# Altium PCB FD-KL-ASM-SUB-PCBA-MAIN.PcbDoc (part 1 of 4) (continued)
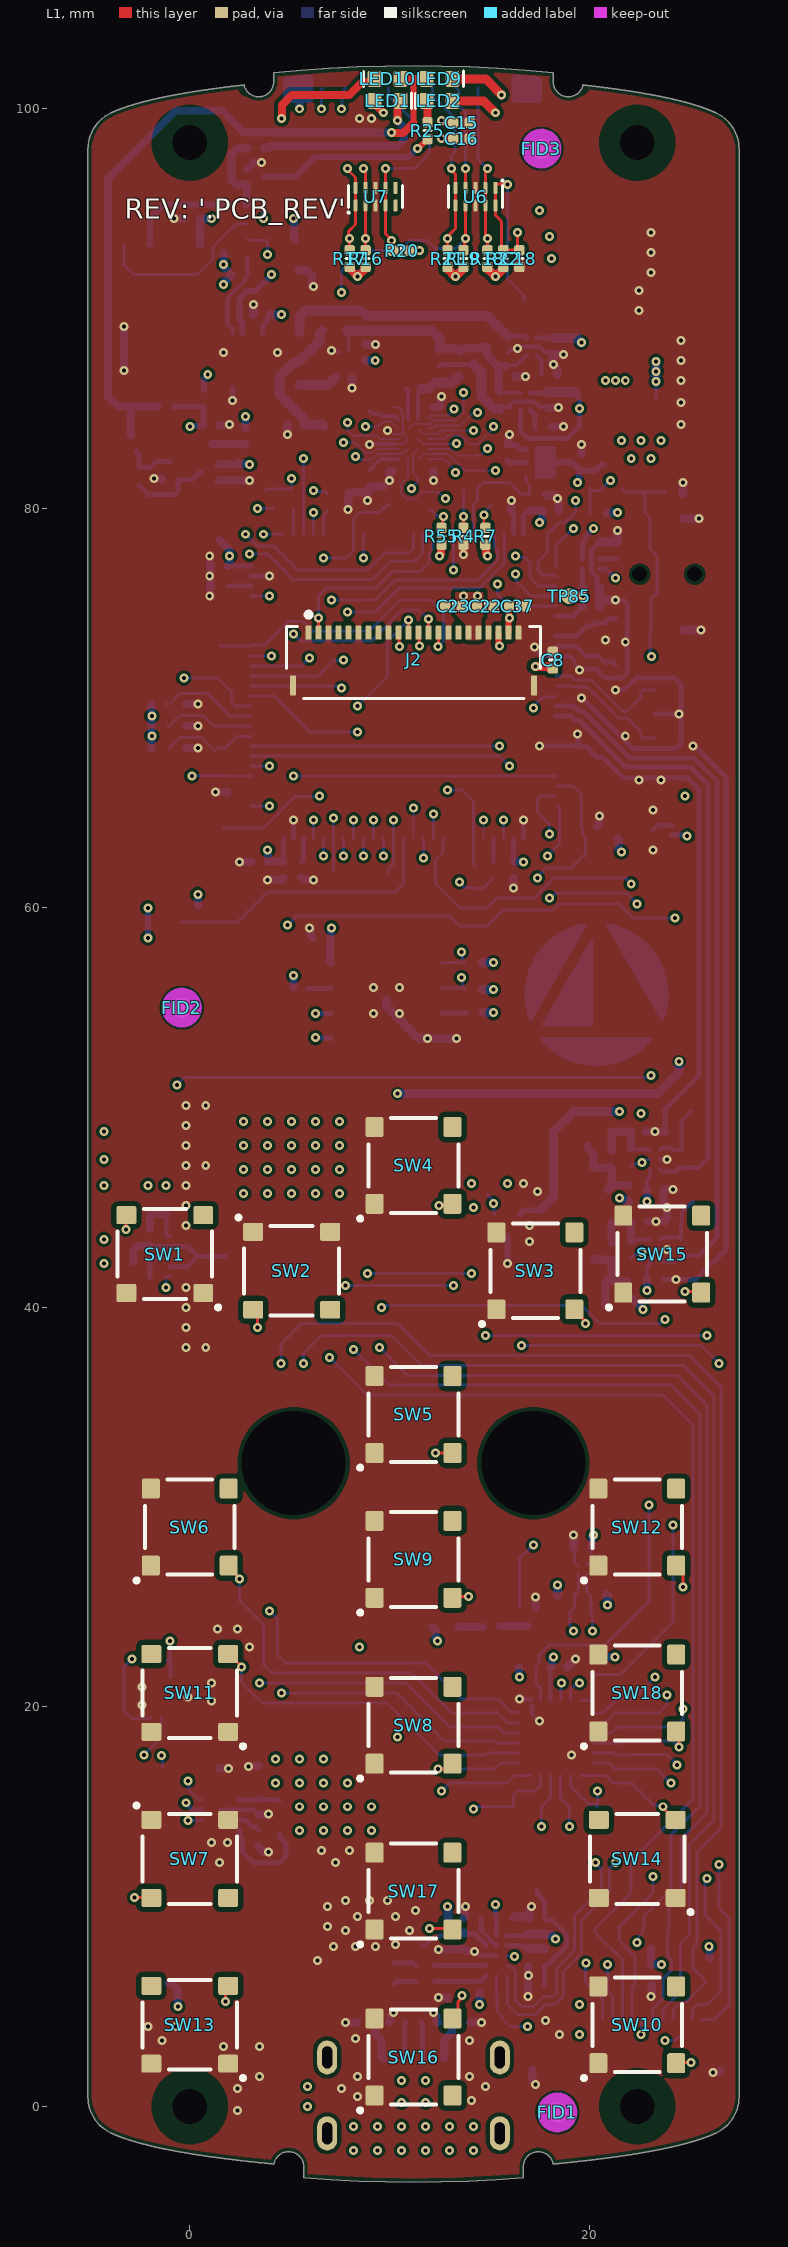
[diagram p0: L1 view]
## Components (designator, comment, footprint, x,y, rotation, side; value= is the part's Value field where it differs from the comment) (continued)
C81 "CAP CER 4.7UF 10V 20% X5R 0402" CAPC0402(1005)55_L 23.3,89 r0 bottom
C82 "CAP CER 0.1uF 16V 10% X7R 0402" CAPC0402(1005)55_L 18.2,88.1 r270 bottom
C83 "CAP CER 2.2uF 6.3V 10% X5R 0402" CAPC0402(1005)55_L 15.9,88.2 r270 bottom
C84 "CAP CER 0.047uF 10V 10% X7R 0402" CAPC0402(1005)55_L 18,86.7 r0 bottom
C85 "CAP CER 10uF 10V 20% X5R 0402" CAPC0402(1005)55_L 8.8,87.8 r90 bottom
C86 "CAP CER 1uF 25V 10% X5R 0402" CAPC0402(1005)55_L 7.7,86.5 r0 bottom
C87 "CAP CER 0.1uF 16V 10% X7R 0402" CAPC0402(1005)55_L 20.1,78.3 r0 bottom
C88 "CAP CER 0.047uF 10V 10% X7R 0402" CAPC0402(1005)55_L 21.4,77.9 r90 bottom
C89 "CAP CER 4.7UF 10V 20% X5R 0402" CAPC0402(1005)55_L 20.1,76.1 r0 bottom
CN1 "UJC-HP-3-SMT-TR" "CUI - UJC-HP-3-SMT_V" 11.2,-0.95 r180 bottom
D1 "RB751S40T1G" "ON - SOD-523_V" 20.9,80.9 r0 bottom
D2 "BZT585B15T-7" "DIOD - SOD-523-2_L" 20.2,45.9 r0 bottom
D3 "BZT585B15T-7" "DIOD - SOD-523-2_L" 20.1,41.3 r0 bottom
D4 "RB751S40T1G" "ON - SOD-523_V" -1.3,59.3 r180 bottom
D5 "D5V0M1U2S9-7" "DIOD - SOD-923_V" 7.3,13.3 r270 bottom
D6 "D5V0M1U2S9-7" "DIOD - SOD-923_V" -1.4,4.4 r270 bottom
FID1 "FID1X2R" FID1X2R 18.4,-0.3 r180 top
FID2 "FID1X2R" FID1X2R -0.4,55 r180 top
FID3 "FID1X2R" FID1X2R 17.6,98 r180 top
FID4 "FID1X2R" FID1X2R 22.1,95.3 r0 bottom
FID5 "FID1X2R" FID1X2R 18.4,-0.3 r0 bottom
FID6 "FID1X2R" FID1X2R 1.4,54.9 r0 bottom
J1 "114-00841-68" "AMPH - 114-00841-68_C-1" 6.725,101.175 r0 bottom
J2 "503480-2200" "MOLX - 503480-2200_V" 11.2,72.45 r0 top
J3 "009155003301006-2" "AVX - 009155003301006_V" 1.95,8.45 r180 bottom
J4 "FH34SRJ-16S-0.5SH(50)" "HIRO - FH34SRJ-16S-0.5SH_V" 21.9,3.1 r180 bottom
L1 "MAKK2520H1R5M" INDC1008(2520)100_V 3.9,42.55 r90 bottom
L2 "MAKK2016T1R0M" INDC0806(2016)100_V 21.3,85 r90 bottom
L4 "MLZ1608M220WT000" INDC0603(1608)90_L 14,43.4 r270 bottom
L5 "BLM18PG221SH1D" FBC0603(1608)90_L 6.7,83.5 r270 bottom
L6 "BLM18PG221SH1D" FBC0603(1608)90_L 13.5,87.2 r90 bottom
LED1 "LTST-C191KRKT" LEDC0603(1608)65_L 9.9,100.4 r0 top
LED2 "KB DELPS2.DI-THVG-2J8L-Z555" LEDC0603(1608)65_L 12.5,100.4 r180 top
LED8 "IN-S63AT5A" LEDC0603(1608)65_L 12.8,24 r0 bottom
LED9 "IN-S63AT5A" LEDC0603(1608)65_L 12.5,101.5 r0 top
LED10 "IN-S63AT5UW" LEDC0603(1608)65_L 9.9,101.5 r180 top
Q1 "DMP2104LP-7" "DIOD - XDFN-3_V" -1.1,16.35 r270 bottom
Q2 "DMP2104LP-7" "DIOD - XDFN-3_V" -2.95,83.5 r90 bottom
R2 "RES 10K 1/16W 1% 0402" RESC0402(1005)_L -1.5,68 r180 bottom
R3 "RES 10K 1/16W 1% 0402" RESC0402(1005)_L 22.7,7.1 r0 bottom
R4 "RES 100K 1/16W 1% 0402" RESC0402(1005)_L 13.7,78.6 r90 top
R5 "RES 15 OHM 1% 1/16W 0402" RESC0402(1005)_L 15.2,61.9 r90 bottom
R6 "RES 21.5K 1/16W 1% 0402" RESC0402(1005)_L 2.8,83.6 r90 bottom
R7 "RES 4.7K 1/16W 1% 0402" RESC0402(1005)_L 14.8,78.6 r270 top
R8 "RES 1.0M 1/4W 5% 1206" RESC1206(3216)_L 3.9,2.55 r0 bottom
R9 "RES 0 OHM JUMPER 1/16W 0402" RESC0402(1005)_L 5.1,80.5 r90 bottom
R10 "RES 2.2K 1/16W 1% 0402" RESC0402(1005)_L 18.85,25.6 r180 bottom
R11 "RES 2.2K 1/16W 1% 0402" RESC0402(1005)_L 20.45,25.6 r0 bottom
R12 "RES 4.7K 1/16W 1% 0402" RESC0402(1005)_L 20.25,22.05 r90 bottom
R13 "RES 4.7K 1/16W 1% 0402" RESC0402(1005)_L 16.9,22 r180 bottom
R14 "RES 4.7K 1/16W 1% 0402" RESC0402(1005)_L 25.6,7.4 r180 bottom
R15 "RES 4.7K 1/16W 1% 0402" RESC0402(1005)_L 23.5,7.9 r0 bottom
R16 "RES 10K 1/16W 1% 0402" RESC0402(1005)_L 8.8,92.5 r90 top
R17 "RES 10K 1/16W 1% 0402" RESC0402(1005)_L 8,92.5 r90 top
R18 "RES 10K 1/16W 1% 0402" RESC0402(1005)_L 14.9,92.5 r90 top
R19 "RES 10K 1/16W 1% 0402" RESC0402(1005)_L 13.7,92.5 r90 top
R20 "RES 10K 1/16W 1% 0402" RESC0402(1005)_L 10.6,92.9 r180 top
R21 "RES 10K 1/16W 1% 0402" RESC0402(1005)_L 12.9,92.5 r90 top
R22 "RES 10K 1/16W 1% 0402" RESC0402(1005)_L 15.7,92.5 r270 top
R23 "RES 5.1K 1/16W 1% 0402" RESC0402(1005)_L 10.4,4.2 r0 bottom
R24 "RES 1.0M 1/4W 5% 1206" RESC1206(3216)_L 20.9,92.8 r180 bottom
R25 "RES 21.5K 1/16W 1% 0402" RESC0402(1005)_L 11.9,98.9 r90 top
R26 "RES 4.7K 1/16W 1% 0402" RESC0402(1005)_L 2.508,91.688 r180 bottom
R27 "RES 2.2K 1/16W 1% 0402" RESC0402(1005)_L 3.3,98 r0 bottom
R28 "RES 5.1K 1/16W 1% 0402" RESC0402(1005)_L 12,4.2 r180 bottom
R29 "RES 220K 1/16W 1% 0402" RESC0402(1005)_L -2.85,18.95 r270 bottom
R30 "RES 100K 1/16W 1% 0402" RESC0402(1005)_L -2,45.1 r90 bottom
R31 "RES 220K 1/16W 1% 0402" RESC0402(1005)_L -1.009,18.7 r0 bottom
R32 "RES 21.5K 1/16W 1% 0402" RESC0402(1005)_L -2,43.5 r270 bottom
R33 "RES 10K 1/16W 1% 0402" RESC0402(1005)_L -1.509,22.3 r0 bottom
R34 "RES 2.2K 1/16W 1% 0402" RESC0402(1005)_L 0.7,85.5 r90 bottom
R35 "RES 4.7K 1/16W 1% 0402" RESC0402(1005)_L 14.2,55.9 r0 bottom
R36 "RES 4.7K 1/16W 1% 0402" RESC0402(1005)_L 14.2,57.25 r0 bottom
R37 "RES 10K 1/16W 1% 0402" RESC0402(1005)_L 20.45,79.75 r180 bottom
R38 "RES 100K 1/16W 1% 0402" RESC0402(1005)_L -2.95,82.05 r0 bottom
R39 "RES 100K 1/16W 1% 0402" RESC0402(1005)_L -2.95,81.15 r0 bottom
R40 "RES 100K 1/16W 1% 0402" RESC0402(1005)_L 17.4,80.7 r0 bottom
R41 "RES 15 OHM 1% 1/16W 0402" RESC0402(1005)_L 15.9,82.8 r90 bottom
R42 "RES 100K 1/16W 1% 0402" RESC0402(1005)_L 24.6,47.4 r270 bottom
R43 "RES 5.1M 1/16W 1% 0402" RESC0402(1005)_L 22.1,47.5 r270 bottom
R44 "RES 470K 1/16W 1% 0402" RESC0402(1005)_L 22,45.7 r270 bottom
R45 "RES 220K 1/16W 1% 0402" RESC0402(1005)_L 22.4,48.8 r180 bottom
R46 "RES 10K 1/16W 1% 0402" RESC0402(1005)_L 24.2,48.8 r0 bottom
R47 "RES 100K 1/16W 1% 0402" RESC0402(1005)_L 24.6,43 r270 bottom
R48 "RES 5.1M 1/16W 1% 0402" RESC0402(1005)_L 22.1,42.9 r270 bottom
R49 "RES 470K 1/16W 1% 0402" RESC0402(1005)_L 21.9,40.9 r270 bottom
R50 "RES 220K 1/16W 1% 0402" RESC0402(1005)_L 22.5,44.3 r180 bottom
R51 "RES 10K 1/16W 1% 0402" RESC0402(1005)_L 24.2,44.3 r0 bottom
R52 "RES 21.5K 1/16W 1% 0402" RESC0402(1005)_L 17.6,42.9 r270 bottom
R53 "RES 0 OHM JUMPER 1/16W 0402" RESC0402(1005)_L 2.9,93 r90 bottom
R54 "RES 0 OHM JUMPER 1/16W 0402" RESC0402(1005)_L 3.3,95.2 r0 bottom
R55 "RES 4.7K 1/16W 1% 0402" RESC0402(1005)_L 12.6,78.6 r270 top
R56 "RES 100K 1/16W 1% 0402" RESC0402(1005)_L 2.45,81.85 r270 bottom
R57 "RES 0 OHM JUMPER 1/16W 0402" RESC0402(1005)_L 2.9,93.9 r270 bottom
R58 "RES 10K 1/16W 1% 0402" RESC0402(1005)_L -1.5,69.1 r180 bottom
R59 "RES 4.7K 1/16W 1% 0402" RESC0402(1005)_L 5.6,56 r180 bottom
R60 "RES 4.7K 1/16W 1% 0402" RESC0402(1005)_L 14.25,54.75 r0 bottom
R61 "RES 0 OHM JUMPER 1/16W 0402" RESC0402(1005)_L 2.4,95.2 r180 bottom
R62 "RES 0 OHM JUMPER 1/16W 0402" RESC0402(1005)_L 21.4,63.9 r270 bottom
R63 "RES 10K 1/16W 1% 0402" RESC0402(1005)_L -1.5,70.2 r180 bottom
R64 "RES 10K 1/16W 1% 0402" RESC0402(1005)_L -0.6,68 r180 bottom
R65 "RES 100K 1/16W 1% 0402" RESC0402(1005)_L -1.205,85.1 r0 bottom
R66 "RES 4.7K 1/16W 1% 0402" RESC0402(1005)_L 1.7,93.2 r270 bottom
R67 "RES 10K 1/16W 1% 0402" RESC0402(1005)_L -0.6,69.1 r180 bottom
R68 "RES 10K 1/16W 1% 0402" RESC0402(1005)_L -0.6,70.2 r180 bottom
R69 "RES 100K 1/16W 1% 0402" RESC0402(1005)_L 15.9,86.6 r180 bottom
R70 "RES 10K 1/16W 1% 0402" RESC0402(1005)_L 14.95,5.65 r180 bottom
R71 "RES 0 OHM JUMPER 1/10W 0603" RESC0603(1608)_L 5.5,88.2 r270 bottom
R72 "RES 0 OHM JUMPER 1/10W 0603" RESC0603(1608)_L 5.5,86.8 r90 bottom
R73 "RES 0 OHM JUMPER 1/16W 0402" RESC0402(1005)_L 4.6,80 r180 bottom
R74 "RES 15 OHM 1% 1/16W 0402" RESC0402(1005)_L 6.9,80.3 r90 bottom
R75 "RES 0 OHM JUMPER 1/16W 0402" RESC0402(1005)_L -2,41.1 r90 bottom
R76 "RES 1.8M 1/16W 1% 0402" RESC0402(1005)_L 12.95,9.05 r270 bottom
R77 "RES 1.0K 1/16W 1% 0402" RESC0402(1005)_L 3.45,15.026 r90 bottom
R78 "RES 1.0K 1/16W 1% 0402" RESC0402(1005)_L 15.1,24 r180 bottom
R79 "RES 0 OHM JUMPER 1/10W 0603" RESC0603(1608)_L 7.237,88.895 r180 bottom
R82 "RES 10K 1/16W 1% 0402" RESC0402(1005)_L 20,64.1 r180 bottom
R83 "RES 18.2K 1/16W 1% 0402" RESC0402(1005)_L 17.75,9.05 r270 bottom
R84 "RES 1.0K 1/16W 1% 0402" RESC0402(1005)_L 17.75,7.45 r270 bottom
R85 "NTCG103JF103FT1" RESC0402(1005)_L 17.35,6.05 r180 bottom
R86 "NCP15WB473F03RC" RESC0402(1005)_L 2.25,12.726 r180 bottom
R87 "RES 100 OHM 1/16W 1% 0402" RESC0402(1005)_L 11.75,6.25 r0 bottom
R88 "RES 100 OHM 1/16W 1% 0402" RESC0402(1005)_L 11.75,7.05 r0 bottom
R89 "KRL3216T4A-M-R010-F-T1" "Susumu - KRL3216T4A_V" 8.9,6.7 r180 bottom
R90 "RES 100K 1/16W 1% 0402" RESC0402(1005)_L 0.4,59.7 r270 bottom
R91 "RES 100K 1/16W 1% 0402" RESC0402(1005)_L 1.9,66.2 r270 bottom
SW1 "PTS530GN055SMTRLFS" "C&K - PTS530_V" -1.25,42.666 r180 top
SW2 "PTS530GN055SMTRLFS" "C&K - PTS530_V" 5.1,41.829 r0 top
SW3 "PTS530GN055SMTRLFS" "C&K - PTS530_V" 17.3,41.829 r90 top
SW4 "PTS530GN055SMTRLFS" "C&K - PTS530_V" 11.2,47.106 r90 top
SW5 "PTS530GN055SMTRLFS" "C&K - PTS530_V" 11.2,34.638 r90 top
SW6 "PTS530GN055SMTRLFS" "C&K - PTS530_V" 0,29 r90 top
SW7 "PTS530GN055SMTRLFS" "C&K - PTS530_V" 0,12.39 r0 top
SW8 "PTS530GN055SMTRLFS" "C&K - PTS530_V" 11.2,19.081 r90 top
SW9 "PTS530GN055SMTRLFS" "C&K - PTS530_V" 11.2,27.386 r90 top
SW10 "PTS530GN055SMTRLFS" "C&K - PTS530_V" 22.4,4.085 r90 top
SW11 "PTS530GN055SMTRLFS" "C&K - PTS530_V" 0,20.695 r180 top
SW12 "PTS530GN055SMTRLFS" "C&K - PTS530_V" 22.4,29 r90 top
SW13 "PTS530GN055SMTRLFS" "C&K - PTS530_V" 0,4.085 r180 top
SW14 "PTS530GN055SMTRLFS" "C&K - PTS530_V" 22.4,12.39 r180 top
SW15 "PTS530GN055SMTRLFS" "C&K - PTS530_V" 23.65,42.666 r90 top
SW16 "PTS530GN055SMTRLFS" "C&K - PTS530_V" 11.2,2.471 r90 top
SW17 "PTS530GN055SMTRLFS" "C&K - PTS530_V" 11.2,10.776 r90 top
SW18 "PTS530GN055SMTRLFS" "C&K - PTS530_V" 22.4,20.695 r90 top
SW19 "TL1014BF160QG" "E-SWITCH - TL1014BFXXXQG" 23.9,76.7 r270 bottom
TP1 "TPAD8R" TP08R 25.5,47.061 r270 bottom locked
TP2 "TPAD8R" TP08R 19.9,48.1 r0 bottom locked
TP3 "TPAD8R" TP08R 21.1,48.8 r180 bottom locked
TP4 "TPAD8R" TP08R 25.5,42.6 r180 bottom locked
TP5 "TPAD8R" TP08R 20.8,40.1 r0 bottom locked
TP6 "TPAD8R" TP08R 21.1,44.2 r180 bottom locked
TP7 "TPAD8R" TP08R 26.5,10.6 r180 bottom locked
TP8 "TPAD8R" TP08R 13.4,19.7 r0 bottom locked
TP9 "TPAD8R" TP08R 3.9,93.4 r0 bottom locked
TP10 "TPAD8R" TP08R -3,85.1 r90 bottom locked
TP11 "TPAD8R" TP08R 19.3,85.8 r0 bottom locked
TP12 "TPAD8R" TP08R 0.5,18.45 r90 bottom locked
TP13 "TPAD8R" TP08R 10,80.2 r90 bottom locked
TP14 "TPAD8R" TP08R 20.7,82.2 r0 bottom locked
TP15 "TPAD8R" TP08R 15.9,81.3 r0 bottom locked
TP16 "TPAD8R" TP08R -1.05,12.75 r90 bottom locked
TP17 "TPAD8R" TP08R 4.5,15.3 r0 bottom locked
TP18 "TPAD8R" TP08R 26.2,9.1 r180 bottom locked
TP19 "TPAD8R" TP08R 20.4,65.5 r90 bottom locked
TP20 "TPAD8R" TP08R 15.1,49.2 r0 bottom locked
TP21 "TPAD8R" TP08R 14.8,19 r0 bottom locked
TP22 "TPAD8R" TP08R 14.8,20.4 r0 bottom locked
TP23 "TPAD8R" TP08R 22.1,20.4 r0 bottom locked
TP24 "TPAD8R" TP08R 20.4,15 r0 bottom locked
TP25 "TPAD8R" TP08R 19,15 r0 bottom locked
TP26 "TPAD8R" TP08R 13.4,18.3 r0 bottom locked
TP27 "TPAD8R" TP08R 13.4,16.9 r0 bottom locked
TP28 "TPAD8R" TP08R 17.6,15 r0 bottom locked
TP29 "TPAD8R" TP08R 22.1,17.608 r0 bottom locked
TP30 "TPAD8R" TP08R 14.8,17.6 r0 bottom locked
TP31 "TPAD8R" TP08R 22.1,19.004 r0 bottom locked
TP32 "TPAD8R" TP08R 16.2,15 r0 bottom locked
TP33 "TPAD8R" TP08R 22.1,16.2 r0 bottom locked
TP34 "TPAD8R" TP08R 23.5,19.7 r0 bottom locked
TP35 "TPAD8R" TP08R 23.5,16.8 r0 bottom locked
TP36 "TPAD8R" TP08R 14.8,16.2 r270 bottom locked
TP37 "TPAD8R" TP08R 23.5,18.3 r0 bottom locked
TP38 "TPAD8R" TP08R 13.7,80.9 r0 bottom locked
TP39 "TPAD8R" TP08R 25.8,6.3 r0 bottom locked
TP40 "TPAD8R" TP08R 24.6,6.3 r0 bottom locked
TP41 "TPAD8R" TP08R 24,8.9 r0 bottom locked
TP42 "TPAD8R" TP08R 22.7,8.9 r0 bottom locked
TP43 "TPAD8R" TP08R 21.5,8.9 r180 bottom locked
TP44 "TPAD8R" TP08R 20.3,8.9 r180 bottom locked
TP45 "TPAD8R" TP08R 20.9,6.4 r0 bottom locked
TP46 "TPAD8R" TP08R 19.8,6.4 r0 bottom locked
TP47 "TPAD8R" TP08R 22.8,80.85 r0 bottom locked
TP48 "TPAD8R" TP08R 18.9,24.6 r270 bottom locked
TP49 "TPAD8R" TP08R 20.15,24.6 r90 bottom locked
TP50 "TPAD8R" TP08R 15.1,80.2 r270 bottom locked
TP51 "TPAD8R" TP08R 12,80.1 r270 bottom locked
TP52 "TPAD8R" TP08R -3.3,20.6 r0 bottom locked
TP53 "TPAD8R" TP08R 1.3,67.9 r0 bottom locked
TP54 "TPAD8R" TP08R 1.3,69.1 r0 bottom locked
TP55 "TPAD8R" TP08R 1.3,70.3 r0 bottom locked
TP56 "TPAD8R" TP08R 1.3,71.5 r90 bottom locked
TP57 "TPAD8R" TP08R 1.4,73.1 r0 bottom locked
TP58 "TPAD8R" TP08R 4.1,81 r0 bottom locked
TP59 "TPAD8R" TP08R 14.2,60.9 r0 bottom locked
TP60 "TPAD8R" TP08R 7.2,61.8 r0 bottom locked
TP61 "TPAD8R" TP08R 14.2,62.1 r0 bottom locked
TP62 "TPAD8R" TP08R 1.5,78.4 r0 bottom locked
TP63 "TPAD8R" TP08R 8.5,11.5 r0 bottom locked
TP64 "TPAD8R" TP08R 6.8,81.9 r0 bottom locked
TP65 "TPAD8R" TP08R 14.8,88.1 r90 bottom locked
TP66 "TPAD8R" TP08R 1.7,64 r0 bottom locked
TP67 "TPAD8R" TP08R 7.3,15.6 r0 bottom
TP68 "TPAD8R" TP08R 2.375,59.325 r0 bottom locked
TP69 "TPAD8R" TP08R 0.775,66.625 r0 bottom locked
TP70 "TPAD8R" TP08R 11.6,8.05 r0 bottom locked
TP71 "TPAD8R" TP08R 15.625,4.35 r0 bottom locked
TP72 "TPAD8R" TP08R 9.95,61.775 r0 bottom locked
TP73 "TPAD8R" TP08R 4.5,13.6 r0 bottom
TP74 "TPAD8R" TP08R 17.375,10.825 r0 bottom locked
TP75 "TPAD8R" TP08R 12.7,60.8 r0 bottom locked
TP76 "TPAD8R" TP08R 22.7,22.8 r0 bottom locked
TP77 "TPAD8R" TP08R 22.6,24.8 r0 bottom locked
TP78 "TPAD8R" TP08R 19.8,62.7 r0 bottom locked
TP79 "TPAD8R" TP08R 25.1,49.8 r0 bottom locked
TP80 "TPAD8R" TP08R 25.2,45.3 r0 bottom locked
TP81 "TPAD8R" TP08R 14.9,45.8 r0 bottom locked
TP82 "TPAD8R" TP08R -1.6,29 r90 bottom
TP83 "TPAD8R" TP08R 5.1,4.5 r90 bottom
TP84 "TPAD8R" TP08R 19.3,44.1 r90 bottom
TP85 "TPAD8R" TP08R 19,75.6 r180 top locked
U1 "TPS79920YZUT" "TI - DSBGA-YZU-5_V" 20.1,77.2 r90 bottom
U2 "STM32H753VIT6" "STM - LQFP-100_L" 10.7,71.1 r180 bottom locked
U3 "CAT24C04C4ATR" "ON - WLCSP-4_V" 19.65,26.85 r180 bottom
U4 "ADP5587ACPZ-R7" "ADEV - LFCSP-24_L" 18.3,18.45 r180 bottom
U5 "ATECC608A-SSHCZ-T" "MCHP - SOIC-8_L" -1.4,90.6 r90 bottom
U6 "PUSB3AB4Z" "NEXP - DFN2510A-10_L" 14.3,95.6 r270 top
U7 "PUSB3AB4Z" "NEXP - DFN2510A-10_L" 9.3,95.6 r90 top
U8 "NTK3043NT1G" SOT-723-3(40)_N 3.3,96.6 r0 bottom
U9 "W25Q64JVZPIQ TR" "MXIC - WSON-8_L" 9.85,55.35 r180 bottom
U10 "ATECC608A-MAHCZ-T" "MCHP - UDFN-8_L" 2.9,87.4 r90 bottom
U11 "ADP2503ACPZ-R7" "ADEV - LFCSP-10_V" 0.4,42.55 r180 bottom
U12 "XC6192AA05ER-G" "TORX - USP-8B06_V" -1.209,20.5 r90 bottom
U13 "TPS61253YFFR" "TI - DSBGA-YFF-9_V" 23.35,85.55 r270 bottom
U14 "NTK3043NT1G" SOT-723-3(40)_N -1,81.9 r90 bottom
U16 "LMV981MG/NOPB" "TI - DSBGA-YZR-6_V" 23.3,47.4 r0 bottom
U17 "TPS61158DRVR" "TI - WSON-6_L" 15.9,43.675 r270 bottom
U18 "LMV981MG/NOPB" "TI - DSBGA-YZR-6_V" 23.3,42.9 r0 bottom
U20 "MCP1501T-25E/RW" "MCHP - WDFN-8_L" 23.2,63.9 r180 bottom
U21 "TPS79928YZUR" "TI - DSBGA-YZU-5_V" 16.8,85.35 r0 bottom
U22 "NTK3043NT1G" SOT-723-3(40)_N 1,81.8 r180 bottom
U23 "BQ25050DQCR" "TI - WSON-DQC-10_V" 1.55,14.826 r180 bottom
U26 "NTK3043NT1G" SOT-723-3(40)_N 16.9,24.5 r270 bottom
U27 "BQ27520YZFR-G4" "TI - DSBGA-YZF-15_V" 15.35,7.55 r0 bottom
U28 "NTK3043NT1G" SOT-723-3(40)_N 1.1,83.7 r270 bottom
U29 "OVM7690-RYAA" "OMNI - CCBGA-CG-20" 11.179,83.465 r180 bottom locked
U30 "TPS79928YZUR" "TI - DSBGA-YZU-5_V" 17.1,88.1 r0 bottom
U31 "TPS22930AYZVR" "TI - DSBGA-YZV-4_V" 7.7,87.6 r0 bottom
U32 "BCR421UFD-7" "DIOD - U-DFN2020-6_L" 17.8,82.3 r180 bottom locked
X1 "ECS-.327-6-12-TR" "ECS - ECX-12_V" 20.1,73.4 r270 bottom
X2 "CSTNE8M00G550000R0" "MURA - CSTNE_V" 23.3,69.7 r270 bottom

## Footprints (in the part's own frame and the unit in brackets; to place one, negate y for a bottom-side part, rotate by r counter-clockwise, add the part's x,y. Pads: shape width x height; smd on the part's side, far side on the other; paste and mask are expansions set on the pad)
"ADEV - LFCSP-10_V" [mm] "SON, 10-Leads, Body 3.00x3.00mm, Pitch 0.50mm, Thermal Pad 2.36x1.49mm, IPC High Density"
  rrect50% 0.7x0.25 smd: 1(-1.4,1) 2(-1.4,0.5) 3(-1.4,0) 4(-1.4,-0.5) 5(-1.4,-1) 6(1.4,-1) 7(1.4,-0.5) 8(1.4,0) 9(1.4,0.5) 10(1.4,1)
  rrect10% 1.7x2.45 smd: 11(0,0)
  silkscreen extent -1.75,-1.68 1.67,1.68, body extent -1.55,-1.55 1.55,1.55, height 1
"ADEV - LFCSP-24_L" [mm] "QFN, 24-Leads, Body 4.00x4.00mm, Pitch 0.50mm, Thermal Pad 2.10x2.10mm, IPC High Density"
  rrect50% 0.75x0.25 smd: 1(-1.875,1.25) 2(-1.875,0.75) 3(-1.875,0.25) 4(-1.875,-0.25) 5(-1.875,-0.75) 6(-1.875,-1.25) 13(1.875,-1.25) 14(1.875,-0.75) 15(1.875,-0.25) 16(1.875,0.25) 17(1.875,0.75) 18(1.875,1.25)
  rrect50% 0.25x0.75 smd: 7(-1.25,-1.875) 8(-0.75,-1.875) 9(-0.25,-1.875) 10(0.25,-1.875) 11(0.75,-1.875) 12(1.25,-1.875) 19(1.25,1.875) 20(0.75,1.875) 21(0.25,1.875) 22(-0.25,1.875) 23(-0.75,1.875) 24(-1.25,1.875)
  rrect10% 2.2x2.2 smd: 25(0,0)
  silkscreen extent -2.48,-2.05 2.05,2.05, body extent -2.07,-2.07 2.07,2.07, height 0.8
"AMPH - 114-00841-68_C-1" [mm] "10 (8 + 2) Position Card Connector Secure Digital - microSD™ Surface Mount, Right Angle Gold"
  rrect25% 0.7x1.5 smd mask+0.102: 1(7.7,0.125) 2(6.6,0.125) 3(5.5,0.125) 4(4.4,0.125) 5(3.3,0.125) 6(2.2,0.125) 7(1.1,0.125)
  rrect25% 0.7x1.45 smd mask+0.102: 8(0,0.15)
  rrect25% 1.4x1 smd: 9(-1.1,9.225)
  rrect25% 1x1.55 smd: 10(10.075,10.8)
  rrect25% 0.8x1.4 smd: 11(10.55,8.375)
  rrect25% 1x0.8 smd mask+0.102: 12(10.15,0.125) 13(-1.3,0.125)
  rrect25% 0.8x1.5 smd: 14(-1.4,7.725)
  L1 region: 9.4,-0.33 9.4,0.678 9.426,0.778 9.498,0.852 9.598,0.88 9.598,0.88 10.698,0.88 10.798,0.854 10.872,0.782 10.9,0.682 10.9,0.682 10.9,-0.226 10.879,-0.323 10.813,-0.397 10.718,-0.427 10.718,-0.427 9.62,-0.527 9.538,-0.518 9.467,-0.477 9.418,-0.41 9.4,-0.33
  L1 region: -2.05,-0.226 -2.05,0.682 -2.022,0.782 -1.948,0.854 -1.848,0.88 -1.848,0.88 -0.748,0.88 -0.648,0.852 -0.576,0.778 -0.55,0.678 -0.55,0.678 -0.55,-0.33 -0.568,-0.41 -0.617,-0.477 -0.688,-0.518 -0.77,-0.527 -0.77,-0.527 -1.868,-0.427 -1.963,-0.397 -2.029,-0.323 -2.05,-0.226
  L1 keep-out region: 2.55,11 5.05,11 5.05,8.65 2.55,8.65
  L1 keep-out region: -0.4,7.3 8.1,7.3 8.1,4.55 -0.4,4.55
  silkscreen extent -1.8,1.2 10.9,11.3, body extent -1.47,-0.48 10.55,11.02, height 1.5
"AVX - 009155003301006_V" [mm] "3 Position Spring Battery Contact Connector Surface Mount, Right Angle"
  rrect50% 1.5x1 smd: 1(-2.995,-2.265) 2(0.005,-2.265) 3(3.005,-2.265)
  rrect50% 0.9x1 smd: 4(-1.495,-2.265) 5(1.505,-2.265)
  rrect50% 1.25x1.35 smd: 6(-1.495,1.195) 7(1.505,1.195)
  silkscreen extent -4.59,-1.79 4.61,1.77, body extent -4.44,-2.62 4.46,2.97, height 6.1
"C&K - PTS530_V" [mm] "SWITCH TACTILE SPST-NO 0.05A 12V"
  rrect20% 1x0.9 smd: 1(-1.925,1.95) 2(1.925,1.95) 3(-1.925,-1.95) 4(1.925,-1.95)
  silkscreen extent -2.72,-2.25 2.37,2.72, body extent -2.52,-2.5 2.52,2.5, height 0.25
CAPC0402(1005)55_L [mm] "Chip Capacitor, 2-Leads, Body 1.05x0.55mm, IPC High Density"
  rrect40% 0.52x0.52 smd: 1(-0.42,0) 2(0.42,0)
  silkscreen extent 0,-0.17 0,0.18, body extent -0.53,-0.28 0.53,0.28, height 0.55
CAPC0603(1608)90_L [mm] "Chip Capacitor, 2-Leads, Body 1.75x0.95mm, IPC High Density"
  rrect40% 0.75x0.85 smd: 1(-0.625,0) 2(0.625,0)
  silkscreen extent 0,-0.3 0,0.3, body extent -0.85,-0.45 0.85,0.45, height 0.9
CAPC0805(2012)145_N [mm] "Chip Capacitor, 2-Leads, Body 2.10x1.35mm, IPC Medium Density"
  rrect25% 1.2x1.4 smd: 1(-0.85,0) 2(0.85,0)
  silkscreen extent 0,-0.51 0,0.51, body extent -1.05,-0.67 1.05,0.67, height 1.35
"CUI - UJC-HP-3-SMT_V" [mm] "USB-C (USB TYPE-C) - Receptacle Connector 24 (6+18 Dummy) Position Surface Mount, Right Angle; Through Hole"
  oval 1x1.7 hole 0.5 slot 1.1 at 90 deg: 1(-4.32,3.4) 2(4.32,3.4) 3(-4.32,-0.4) 4(4.32,-0.4)
  rrect25% 0.7x1.15 smd: A5(-0.5,3.4) B5(0.5,3.4)
  rrect25% 0.8x1.15 smd: A9(1.52,3.4) B9(-1.52,3.4)
  rrect25% 0.9x1.15 smd: A12(2.75,3.4) B12(-2.75,3.4)
  silkscreen extent -4.6,0.6 4.6,4.15, body extent -4.47,-3 4.47,3.9, height 3.26
"DIOD - SOD-523-2_L" [mm] "SODFL, 2-Leads, Body 0.80x1.60mm, IPC High Density"
  rrect50% 0.55x0.4 smd: A(-0.7,0) C(0.7,0)
  silkscreen extent 1.12,-0.3 1.12,0.3, body extent -0.85,-0.45 0.85,0.45, height 0.82
"DIOD - SOD-923_V" [mm] "SODFL, 2-Leads, Body 0.60x1.00mm, IPC High Density"
  rrect50% 0.4x0.3 smd: A(0.45,0) C(-0.45,0)
  silkscreen extent -0.89,-0.38 -0.89,0.38, body extent -0.5,-0.33 0.5,0.33, height 0.4
"DIOD - U-DFN2020-6_L" [mm] "SON, 6-Leads, Body 2.00x2.00mm, Pitch 0.65mm, Thermal Pad 1.60x0.89mm, IPC High Density"
  rrect30% 0.45x0.3 smd: 1(-0.975,0.65) 2(-0.975,0) 3(-0.975,-0.65) 4(0.975,-0.65) 5(0.975,0) 6(0.975,0.65)
  L1 region: -1.05,-0.15 -1.05,0.15 -0.55,0.15 -0.531,0.154 -0.515,0.165 -0.504,0.181 -0.5,0.2 -0.5,0.2 -0.5,0.75 -0.496,0.769 -0.485,0.785 -0.469,0.796 -0.45,0.8 -0.45,0.8 0.45,0.8 0.469,0.796 0.485,0.785 0.496,0.769 0.5,0.75 0.5,0.75 0.5,-0.75 0.496,-0.769 0.485,-0.785 0.469,-0.796 0.45,-0.8 0.45,-0.8 -0.45,-0.8 -0.469,-0.796 -0.485,-0.785 -0.496,-0.769 -0.5,-0.75 -0.5,-0.75 -0.5,-0.2 -0.504,-0.181 -0.515,-0.165 -0.531,-0.154 -0.55,-0.15 -0.55,-0.15
  silkscreen extent -1.47,-1.02 0.8,1.22, body extent -1,-1 1,1, height 0.6
"DIOD - XDFN-3_V" [mm] "DFN, 3-Leads, Body 1.08x1.38mm, Pitch 0.76mm, IPC High Density"
  rrect40% 0.48x0.4 smd mask+0.05: 1(-0.615,0.275) 2(-0.615,-0.275)
  rrect12% 0.75x0.75 smd mask+0.05: 3(0.15,0)
  silkscreen extent -0.95,0.6 -0.85,0.7, body extent -0.7,-0.55 0.7,0.55, height 0.48
"E-SWITCH - TL1014BFXXXQG" [mm] "Tactile Switch SPST-NO Side Actuated Surface Mount, Right Angle"
  rrect50% 1.2x1 smd: 1(2.8,0.85) 2(2.8,-0.85) 3(-2.8,0.85) 4(-2.8,-0.85)
  round 0 hole 0.75 unplated: 5(0,1.375) 6(0,-1.375)
  body extent -3.2,-2.75 3.2,1.75, height 1.65
"ECS - ECX-12_V" [mm]
  rrect25% 0.6x1.1 smd: 1(-0.7,0) 2(0.7,0)
  body extent -1,-0.6 1,0.6, height 0.6
FBC0603(1608)90_L [mm] "Chip Ferrite Bead, 2-Leads, Body 1.75x0.95mm, IPC High Density"
  rrect40% 0.75x0.85 smd: 1(-0.625,0) 2(0.625,0)
  silkscreen extent 0,-0.3 0,0.3, body extent -0.8,-0.4 0.8,0.4, height 0.95
FID1X2R [mm] "Fiducial - Round 1x2mm"
  round 1 smd paste-0.5 mask+0.5: 0(0,0)
  L1 keep-out circle w1: c0,0 r0.5
"HIRO - FH34SRJ-16S-0.5SH_V" [mm] "16 Position FFC, FPC Connector Contacts, Top and Bottom 0.020\" (0.50mm) Surface Mount, Right Angle"
  rrect25% 0.3x0.8 smd: 1(-3.75,1.25) 2(-3.25,1.25) 3(-2.75,1.25) 4(-2.25,1.25) 5(-1.75,1.25) 6(-1.25,1.25) 7(-0.75,1.25) 8(-0.25,1.25) 9(0.25,1.25) 10(0.75,1.25) 11(1.25,1.25) 12(1.75,1.25) 13(2.25,1.25) 14(2.75,1.25) 15(3.25,1.25) 16(3.75,1.25)
  rrect25% 0.4x0.8 smd: 17(-4.75,-1.25) 18(4.75,-1.25)
  silkscreen extent -5.2,-1.85 5.3,2.13, body extent -5,-1.7 5,2.1, height 1
INDC0603(1608)90_L [mm] "Chip Inductor, 2-Leads, Body 1.75x0.95mm, IPC High Density"
  rrect40% 0.75x0.85 smd: 1(-0.625,0) 2(0.625,0)
  silkscreen extent 0,-0.3 0,0.3, body extent -0.8,-0.4 0.8,0.4, height 0.95
INDC0806(2016)100_V [mm] "Chip Inductor, 2-Leads, Body 2.00x1.60x1.00mm, IPC High Density"
  rrect25% 0.7x1.8 smd: 1(-0.75,0) 2(0.75,0)
  silkscreen extent 0,-0.51 0,0.51, body extent -1,-0.8 1,0.8, height 1
INDC1008(2520)100_V [mm] "Chip Inductor, 2-Leads, Body 2.50x2.00x1.00mm, IPC High Density"
  rrect25% 0.8x2 smd: 1(-1,0) 2(1,0)
  silkscreen extent -0.2,-0.86 0.2,0.86, body extent -1.25,-1 1.25,1, height 1
LEDC0603(1608)65_L [mm] "Chip LED, 2-Leads, Body 1.60x0.80mm, IPC High Density"
  rrect25% 0.7x0.8 smd: A(-0.65,0) C(0.65,0)
  silkscreen extent 1.2,-0.38 1.2,0.39, body extent -0.8,-0.4 0.8,0.4, height 0.8
"MCHP - SOIC-8_L" [mm] "SOIC, 8-Leads, Body 4.9x3.9mm, Pitch 1.27mm, IPC High Density"
  rrect50% 1.55x0.6 smd: 1(-2.6,1.905) 2(-2.6,0.635) 3(-2.6,-0.635) 4(-2.6,-1.905) 5(2.6,-1.905) 6(2.6,-0.635) 7(2.6,0.635) 8(2.6,1.905)
  silkscreen extent -2.5,-2.16 1.4,2.88, body extent -3,-2.45 3,2.45, height 1.76
"MCHP - UDFN-8_L" [mm] "SON, 8-Leads, Body 2.00x3.00mm, Pitch 0.50mm, Thermal Pad 1.50x1.30mm, IPC High Density"
  rrect40% 0.75x0.3 smd: 1(-1.37,0.75) 2(-1.37,0.25) 3(-1.37,-0.25) 4(-1.37,-0.75) 5(1.37,-0.75) 6(1.37,-0.25) 7(1.37,0.25) 8(1.37,0.75)
  rrect10% 1.4x1.6 smd: 9(0,0)
  silkscreen extent -1.97,-1 0.7,1.23, body extent -1.55,-1.05 1.55,1.05, height 0.6
"MCHP - WDFN-8_L" [mm] "SON, 8-Leads, Body 2.00x2.00mm, Pitch 0.50mm, Thermal Pad 1.20x0.79mm, IPC High Density"
  rrect50% 0.65x0.25 smd: 1(-0.92,0.75) 2(-0.92,0.25) 3(-0.92,-0.25) 4(-0.92,-0.75) 5(0.92,-0.75) 6(0.92,-0.25) 7(0.92,0.25) 8(0.92,0.75)
  rrect20% 0.79x1.2 smd: 9(0,0)
  silkscreen extent -1.32,-0.89 0.38,1.19, body extent -1.05,-1.05 1.05,1.05, height 0.8
"MOLX - 503480-2200_V" [mm] "22 Position FFC, FPC Connector Contacts, Top and Bottom 0.020\" (0.50mm) Surface Mount, Right Angle"
  rrect25% 0.3x0.7 smd: 1(-5.25,1.325) 2(-4.75,1.325) 3(-4.25,1.325) 4(-3.75,1.325) 5(-3.25,1.325) 6(-2.75,1.325) 7(-2.25,1.325) 8(-1.75,1.325) 9(-1.25,1.325) 10(-0.75,1.325) 11(-0.25,1.325) 12(0.25,1.325) 13(0.75,1.325) 14(1.25,1.325) 15(1.75,1.325) 16(2.25,1.325) 17(2.75,1.325) 18(3.25,1.325) 19(3.75,1.325) 20(4.25,1.325) 21(4.75,1.325) 22(5.25,1.325)
  rrect25% 0.3x1 smd: 23(-6.04,-1.325) 24(6.04,-1.325)
  silkscreen extent -6.35,-1.98 6.35,2.35, body extent -6.35,-1.97 6.35,1.63, height 1.91
"MURA - CSTNE_V" [mm] "SMD-3, Non-Standard, Body 0.126\" L x 0.051\" W (3.20mm x 1.30mm), Height 0.032\" (0.80mm)"
  rrect50% 0.4x1.9 smd: 1(-1.2,0) 2(0,0) 3(1.2,0)
  silkscreen extent -0.8,-0.6 0.8,0.6, body extent -1.6,-0.65 1.6,0.65, height 1
"MXIC - WSON-8_L" [mm] "SON, 8-Leads, Body 5.00x6.00mm, Pitch 1.27mm, Thermal Pad 4.00x4.19mm, IPC High Density"
  rrect25% 0.95x0.45 smd: 1(-2.77,1.905) 2(-2.77,0.635) 3(-2.77,-0.635) 4(-2.77,-1.905) 5(2.77,-1.905) 6(2.77,-0.635) 7(2.77,0.635) 8(2.77,1.905)
  rrect5% 3.5x4.1 smd paste-2.095: 9(0,0)
  silkscreen extent -3.6,-2.5 3,2.72, body extent -3.05,-2.55 3.05,2.55, height 0.8
"NEXP - DFN2510A-10_L" [mm] "SON, 10-Leads, Body 2.50x1.00mm, Pitch 0.50mm, IPC High Density"
  rrect50% 0.6x0.2 smd: 1(-0.44,1) 2(-0.44,0.5) 3(-0.44,0) 4(-0.44,-0.5) 5(-0.44,-1) 6(0.44,-1) 7(0.44,-0.5) 8(0.44,0) 9(0.44,0.5) 10(0.44,1)
  silkscreen extent -0.85,-1.35 0.55,1.4, body extent -0.55,-1.3 0.55,1.3, height 0.5
"OMNI - CCBGA-CG-20" [mm] "Omnivision CameraCube"
  rrect30% 1.1x0.4 smd: 1(-1,1.6) 2(-1,-1.6) 3(1,-1.6) 4(1,1.6)
  round 0.2 smd: A1(-0.75,1) A2(-0.25,1) A3(0.25,1) A4(0.75,1) B1(-0.75,0.5) B2(-0.25,0.5) B3(0.25,0.5) B4(0.75,0.5) C1(-0.75,0) C2(-0.25,0) C3(0.25,0) C4(0.75,0) D1(-0.75,-0.5) D2(-0.25,-0.5) D3(0.25,-0.5) D4(0.75,-0.5) E1(-0.75,-1) E2(-0.25,-1) E3(0.25,-1) E4(0.75,-1)
  silkscreen extent -1.63,-1.5 1.3,1.5, body extent -1.42,-1.63 1.41,1.63, height 2.72
"ON - SOD-523_V" [mm] "SODFL, 2-Leads, Body 0.80x1.70mm"
  rrect50% 0.6x0.5 smd: A(-0.8,0) C(0.8,0)
  silkscreen extent 1.3,-0.3 1.3,0.3, body extent -0.85,-0.41 0.85,0.41, height 0.72
"ON - WLCSP-4_V" [mm] "BGA, 4-Leads, Body 0.86x0.84mmx0.38mm, Pitch 0.40mm"
  round 0.23 smd paste-0.015: A1(-0.2,0.2) A2(0.2,0.2) B1(-0.2,-0.2) B2(0.2,-0.2)
  silkscreen extent -0.59,0.48 -0.49,0.57, body extent -0.43,-0.42 0.43,0.42, height 0.38
RESC0402(1005)_L [mm] "Chip Resistor, 2-Leads, Body 1.00x0.50mm, IPC High Density"
  rrect40% 0.52x0.52 smd: 1(-0.42,0) 2(0.42,0)
  silkscreen extent 0,-0.17 0,0.18, body extent -0.5,-0.25 0.5,0.25, height 0.36
RESC0603(1608)_L [mm] "Chip Resistor, 2-Leads, Body 1.60x0.80mm, IPC High Density"
  rrect40% 0.75x0.85 smd: 1(-0.625,0) 2(0.625,0)
  silkscreen extent 0,-0.3 0,0.3, body extent -0.8,-0.4 0.8,0.4, height 0.43
RESC1206(3216)_L [mm] "Chip Resistor, 2-Leads, Body 3.20x1.60mm, IPC High Density"
  rrect25% 1.1x1.7 smd: 1(-1.3,0) 2(1.3,0)
  silkscreen extent -0.4,-0.63 0.39,0.63, body extent -1.55,-0.77 1.55,0.78, height 0.55
SOT-723-3(40)_N [mm] "SOTFL, 3-Leads, Body 1.20x0.90mm, Pitch 0.40mm, IPC Medium Density"
  rrect50% 0.55x0.4 smd: 1(-0.45,0.4) 2(-0.45,-0.4) 3(0.45,0)
  silkscreen extent -0.7,-0.53 0.33,0.96, body extent -0.65,-0.6 0.65,0.6, height 0.61
"STM - LQFP-100_L" [mm] "TSQFP, 100-Leads, Body 14.00x14.00mm, Pitch 0.50mm, IPC High Density"
  rrect50% 1.25x0.25 smd: 1(-7.625,6) 2(-7.625,5.5) 3(-7.625,5) 4(-7.625,4.5) 5(-7.625,4) 6(-7.625,3.5) 7(-7.625,3) 8(-7.625,2.5) 9(-7.625,2) 10(-7.625,1.5) 11(-7.625,1) 12(-7.625,0.5) 13(-7.625,0) 14(-7.625,-0.5) 15(-7.625,-1) 16(-7.625,-1.5) 17(-7.625,-2) 18(-7.625,-2.5) 19(-7.625,-3) 20(-7.625,-3.5) 21(-7.625,-4) 22(-7.625,-4.5) 23(-7.625,-5) 24(-7.625,-5.5) 25(-7.625,-6) 51(7.625,-6) 52(7.625,-5.5) 53(7.625,-5) 54(7.625,-4.5) 55(7.625,-4) 56(7.625,-3.5) 57(7.625,-3) 58(7.625,-2.5) 59(7.625,-2) 60(7.625,-1.5) 61(7.625,-1) 62(7.625,-0.5) 63(7.625,0) 64(7.625,0.5) 65(7.625,1) 66(7.625,1.5) 67(7.625,2) 68(7.625,2.5) 69(7.625,3) 70(7.625,3.5) 71(7.625,4) 72(7.625,4.5) 73(7.625,5) 74(7.625,5.5) 75(7.625,6)
  rrect50% 0.25x1.25 smd: 26(-6,-7.625) 27(-5.5,-7.625) 28(-5,-7.625) 29(-4.5,-7.625) 30(-4,-7.625) 31(-3.5,-7.625) 32(-3,-7.625) 33(-2.5,-7.625) 34(-2,-7.625) 35(-1.5,-7.625) 36(-1,-7.625) 37(-0.5,-7.625) 38(0,-7.625) 39(0.5,-7.625) 40(1,-7.625) 41(1.5,-7.625) 42(2,-7.625) 43(2.5,-7.625) 44(3,-7.625) 45(3.5,-7.625) 46(4,-7.625) 47(4.5,-7.625) 48(5,-7.625) 49(5.5,-7.625) 50(6,-7.625) 76(6,7.625) 77(5.5,7.625) 78(5,7.625) 79(4.5,7.625) 80(4,7.625) 81(3.5,7.625) 82(3,7.625) 83(2.5,7.625) 84(2,7.625) 85(1.5,7.625) 86(1,7.625) 87(0.5,7.625) 88(0,7.625) 89(-0.5,7.625) 90(-1,7.625) 91(-1.5,7.625) 92(-2,7.625) 93(-2.5,7.625) 94(-3,7.625) 95(-3.5,7.625) 96(-4,7.625) 97(-4.5,7.625) 98(-5,7.625) 99(-5.5,7.625) 100(-6,7.625)
  silkscreen extent -7.75,-6.6 6.6,6.8, body extent -8,-8 8,8, height 1.6
"Susumu - KRL3216T4A_V" [mm] "Chip Resistor, 4-Leads, Body 3.20x1.60mm"
  rrect25% 2.4x0.65 smd: 1(0.5,-0.575) 2(0.5,0.575)
  rrect25% 0.7x0.65 smd: 3(-1.35,-0.575) 4(-1.35,0.575)
  silkscreen extent -1.65,-0.15 1.65,0.15, body extent -1.6,-0.8 1.6,0.8, height 0.7
"TI - DSBGA-YFF-9_V" [mm] "BGA, 9-Leads, Body 1.31x1.21mmx0.63mm, Pitch 0.40mm"
  round 0.23 smd mask+0.05: A1(-0.4,0.4) A2(0,0.4) A3(0.4,0.4) B1(-0.4,0) B2(0,0) B3(0.4,0) C1(-0.4,-0.4) C2(0,-0.4) C3(0.4,-0.4)
  silkscreen extent -0.77,0.65 -0.68,0.75, body extent -0.65,-0.61 0.65,0.61, height 0.63
"TI - DSBGA-YZF-15_V" [mm] "BGA, 15-Leads, Body 1.96x2.61mmx0.63mm, Pitch 0.50mm"
  round 0.25 smd: A1(-0.5,1) A2(0,1) A3(0.5,1) B1(-0.5,0.5) B2(0,0.5) B3(0.5,0.5) C1(-0.5,0) C2(0,0) C3(0.5,0) D1(-0.5,-0.5) D2(0,-0.5) D3(0.5,-0.5) E1(-0.5,-1) E2(0,-1) E3(0.5,-1)
  silkscreen extent -1.02,1.34 -1.01,1.35, body extent -0.98,-1.31 0.98,1.31, height 0.63
"TI - DSBGA-YZR-6_V" [mm] "BGA, 6-Leads, Body 1.03x1.53mmx0.60mm, Pitch 0.50mm"
  round 0.21 smd mask+0.05: A1(-0.25,0.5) A2(0.25,0.5) B1(-0.25,0) B2(0.25,0) C1(-0.25,-0.5) C2(0.25,-0.5)
  silkscreen extent -0.67,0.82 -0.57,0.92, body extent -0.52,-0.76 0.52,0.76, height 0.6
"TI - DSBGA-YZU-5_V" [mm] "BGA, 6-Leads, Body 0.85x1.23mmx0.63mm, Pitch 0.40mm"
  round 0.25 smd mask+0.05: A1(-0.25,0.433) A3(0.25,0.433) B2(0,0) C1(-0.25,-0.433) C3(0.25,-0.433)
  silkscreen extent -0.63,0.72 -0.54,0.82, body extent -0.43,-0.62 0.43,0.62, height 0.63
"TI - DSBGA-YZV-4_V" [mm] "BGA, 4-Leads, Body 0.89x0.89mmx0.54mm, Pitch 0.50mm"
  round 0.2 smd: A1(-0.25,0.25) A2(0.25,0.25) B1(-0.25,-0.25) B2(0.25,-0.25)
  silkscreen extent -0.6,0.5 -0.5,0.6, body extent -0.45,-0.45 0.45,0.45, height 0.54
"TI - WSON-6_L" [mm] "SON, 6-Leads, Body 2.00x2.00mm, Pitch 0.65mm, Thermal Pad 1.60x0.89mm, IPC High Density"
  rrect30% 0.45x0.3 smd: 1(-0.975,0.65) 2(-0.975,0) 3(-0.975,-0.65) 4(0.975,-0.65) 5(0.975,0) 6(0.975,0.65)
  rrect10% 1x1.6 smd: 7(0,0)
  silkscreen extent -1.47,-1.02 0.8,1.22, body extent -1.05,-1.05 1.05,1.05, height 0.8
"TI - WSON-DQC-10_V" [mm] "SON, 10-Leads, Body 3.00x2.00mm, Pitch 0.50mm, Thermal Pad 2.40x0.79mm, IPC High Density"
  rrect50% 0.5x0.25 smd: 1(-0.95,1) 2(-0.95,0.5) 3(-0.95,0) 4(-0.95,-0.5) 5(-0.95,-1) 6(0.95,-1) 7(0.95,-0.5) 8(0.95,0) 9(0.95,0.5) 10(0.95,1)
  rrect20% 0.84x2.4 smd paste-100: 11(0,0)
  silkscreen extent -1.18,-1.55 1.05,1.55, body extent -1.05,-1.55 1.05,1.55, height 0.8
"TORX - USP-8B06_V" [mm] "SON, 8-Leads, Body 2.00x2.00mm, Pitch 0.50mm, Thermal Pad 1.80x1.03mm"
  rrect40% 0.5x0.25 smd: 1(-1,0.75) 2(-1,0.25) 3(-1,-0.25) 4(-1,-0.75) 5(1,-0.75) 6(1,-0.25) 7(1,0.25) 8(1,0.75)
  rrect10% 1.1x1.8 smd paste-100: 9(0,0)
  silkscreen extent -1.32,-1.07 1.03,1.2, body extent -1.03,-1.02 1.03,1.02, height 0.33
TP08R [mm] "Testpoint, round, d=0.8mm"
  round 0.8 smd paste-1: 1(0,0)